# Altium PCB S7CAS-PLEIADES-CARTE-MERE_Pxx.PcbDoc (part 1 of 8) (continued)
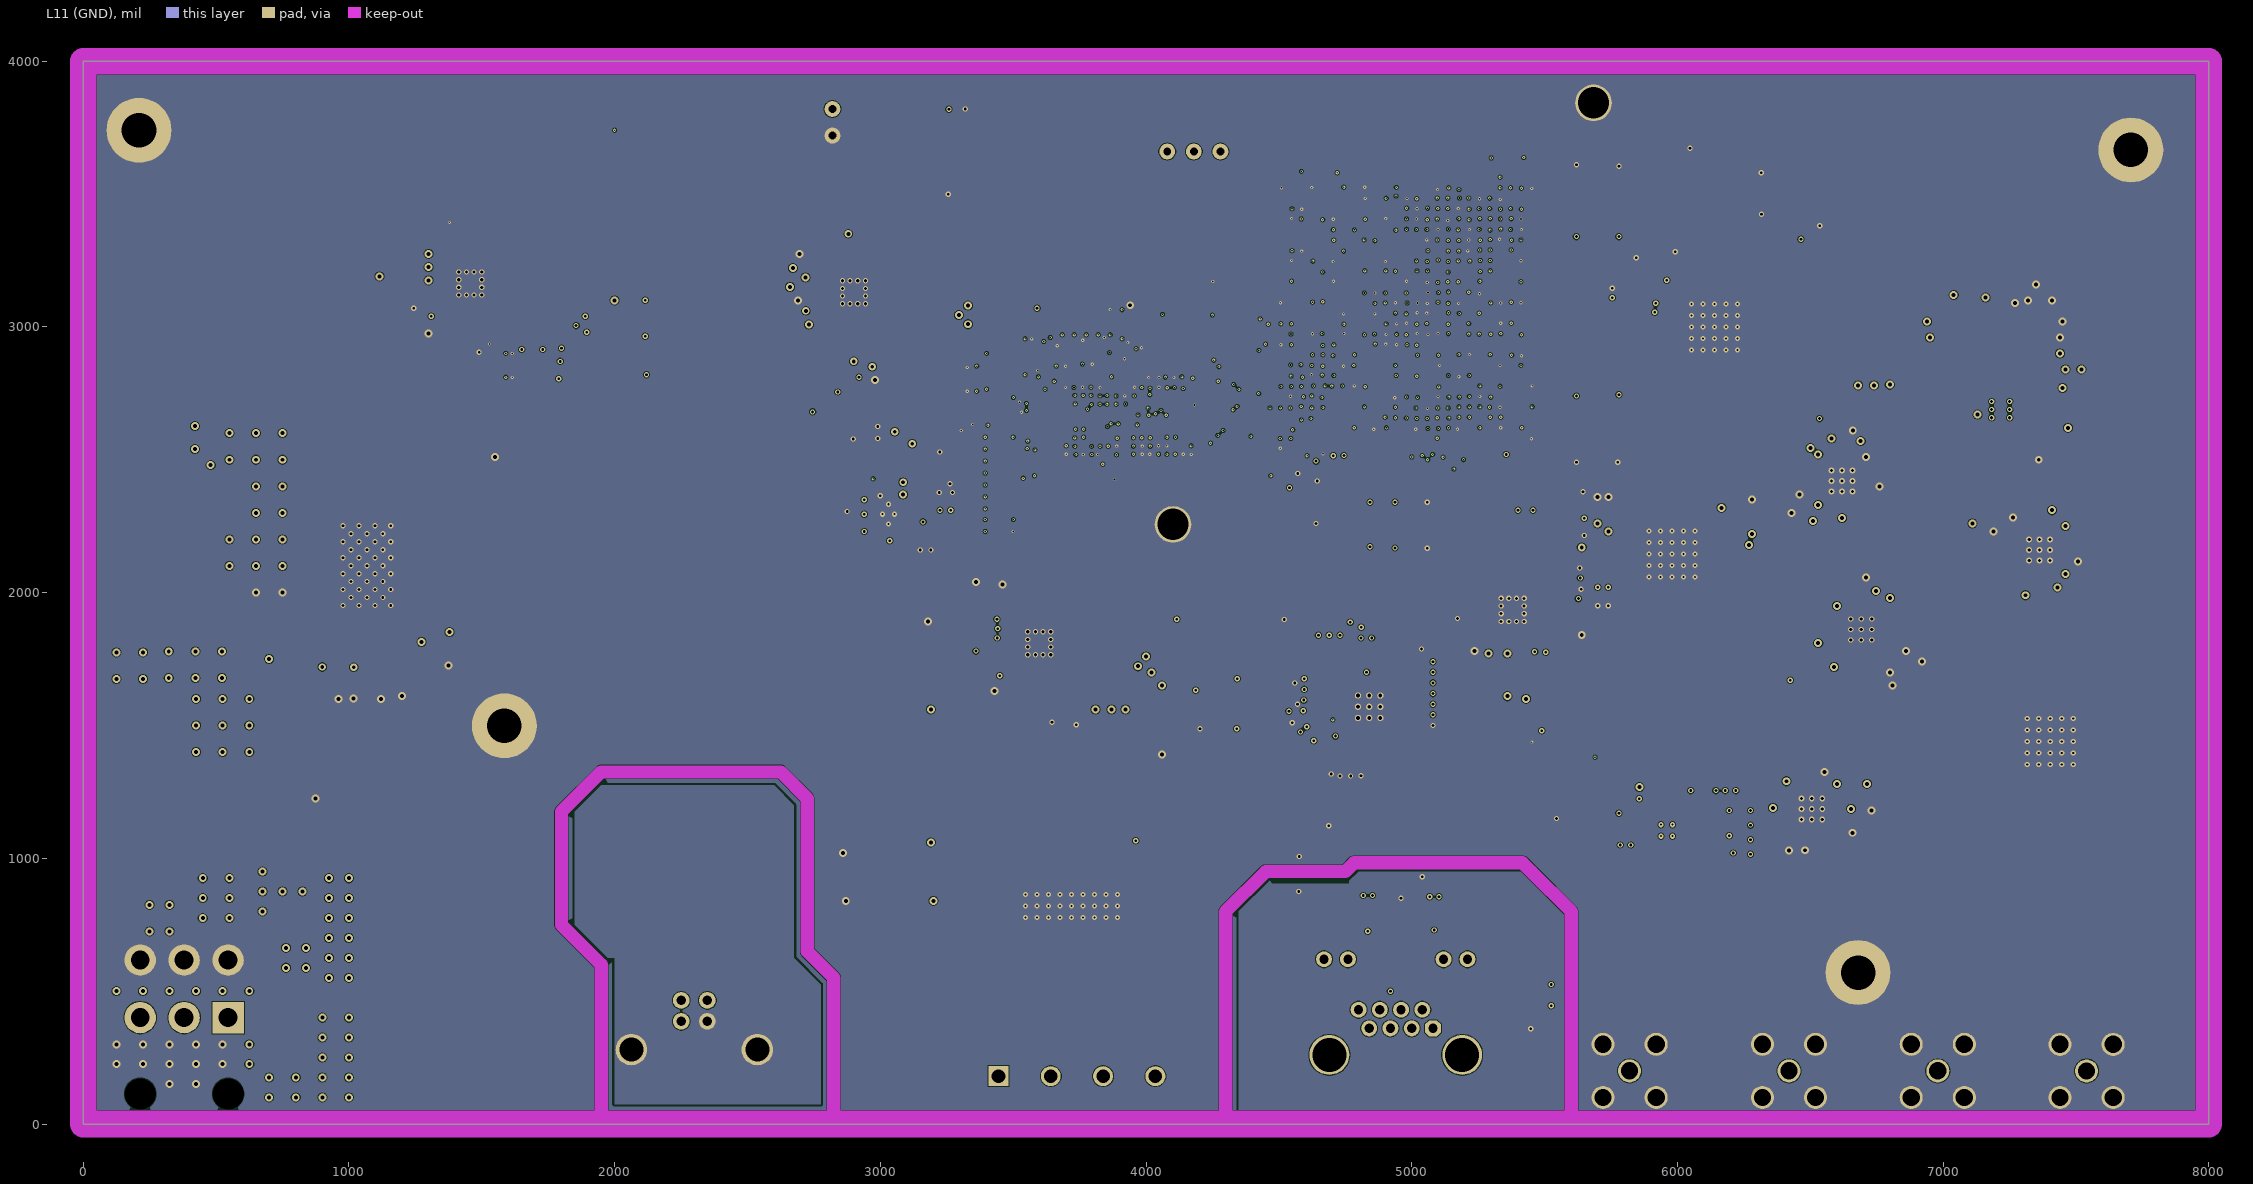
[diagram p10: L11 (GND)]
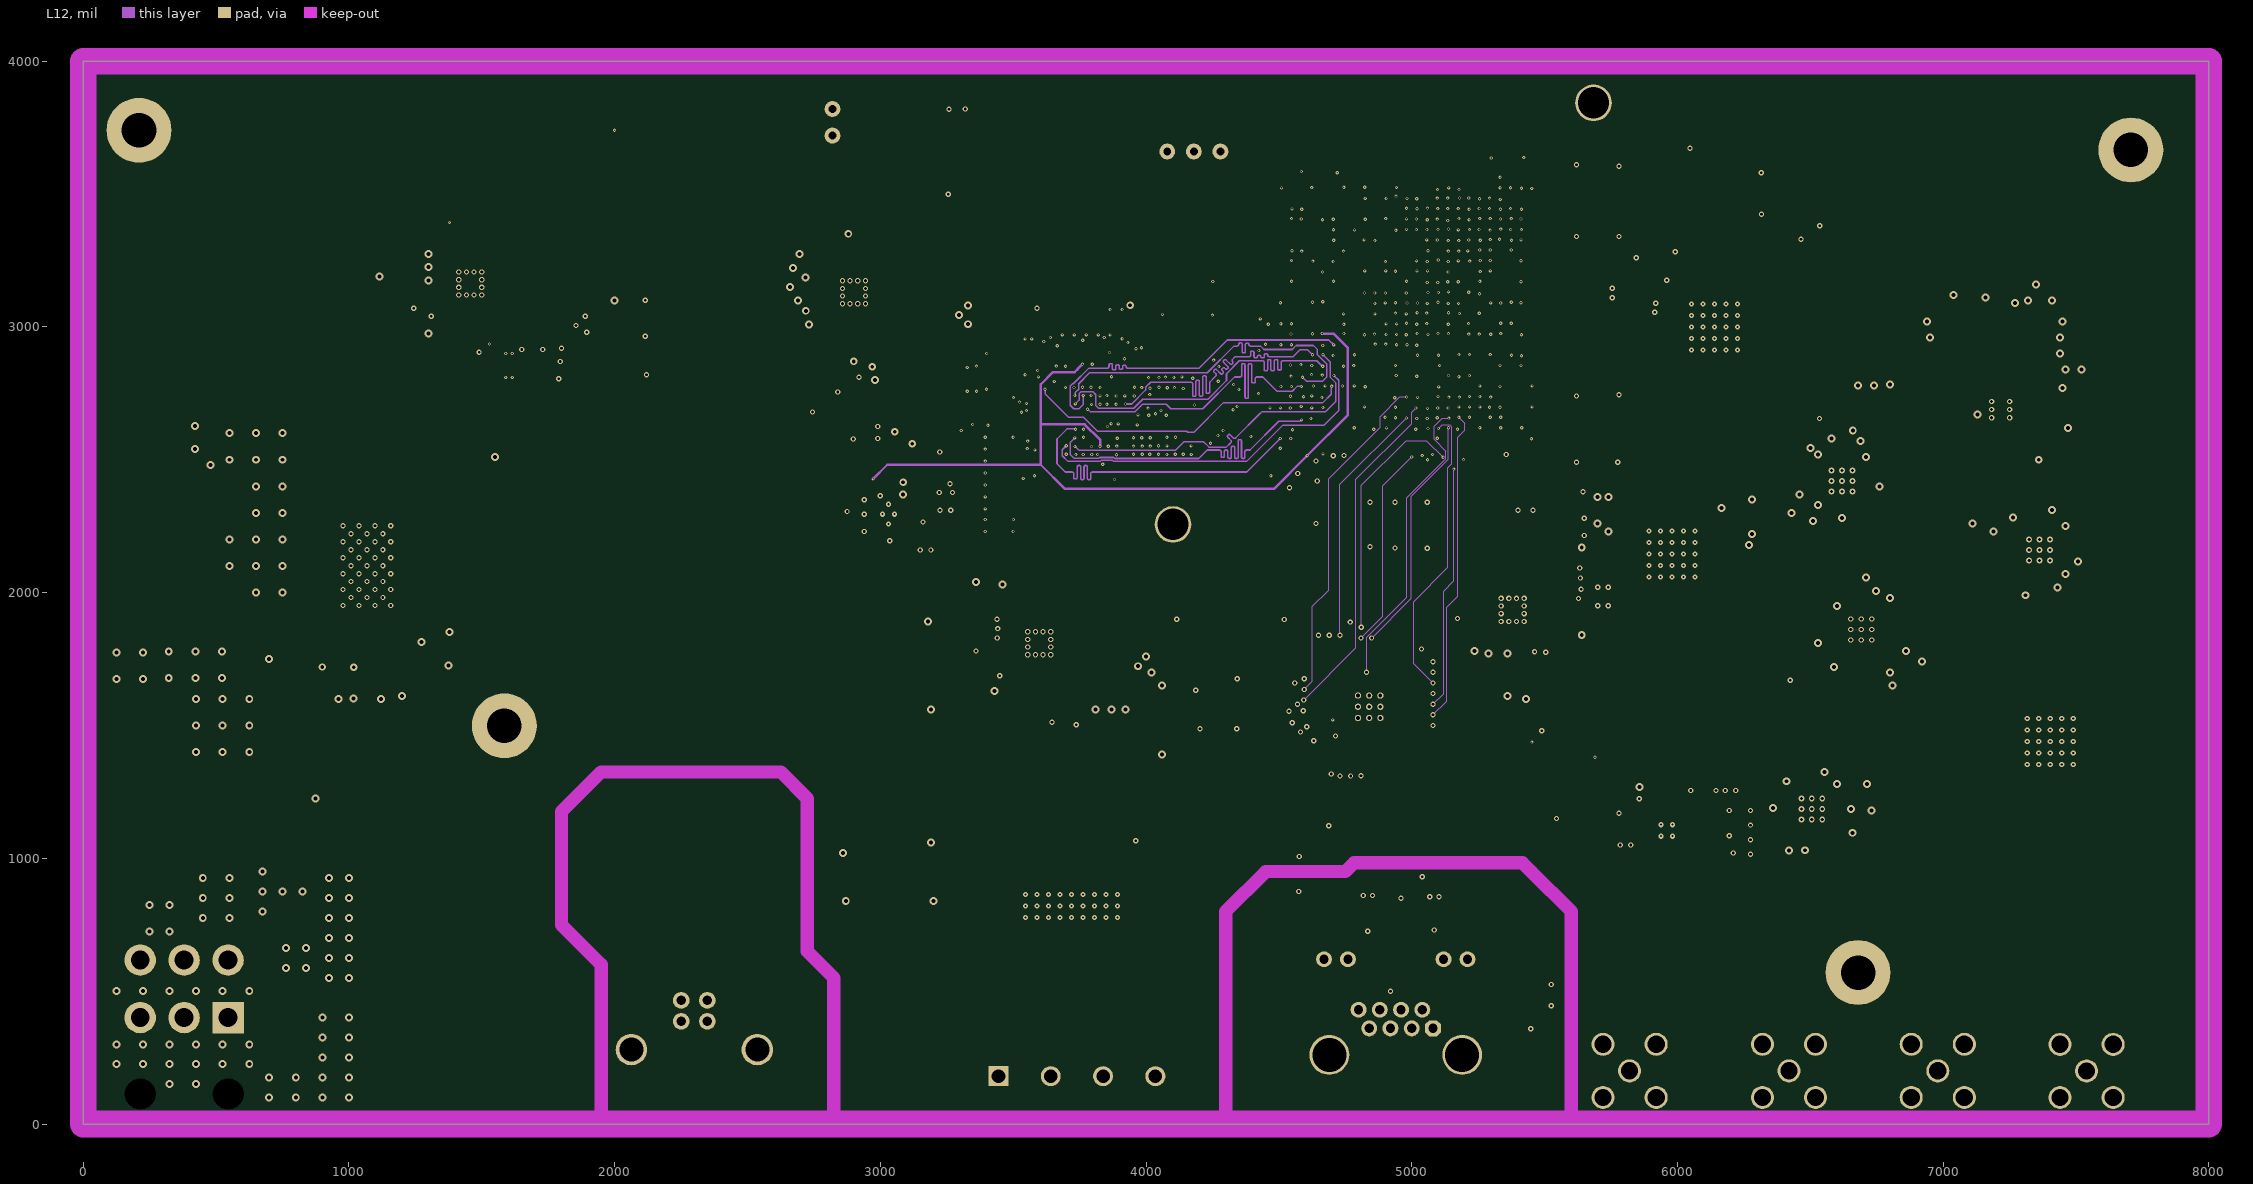
[diagram p11: L12]
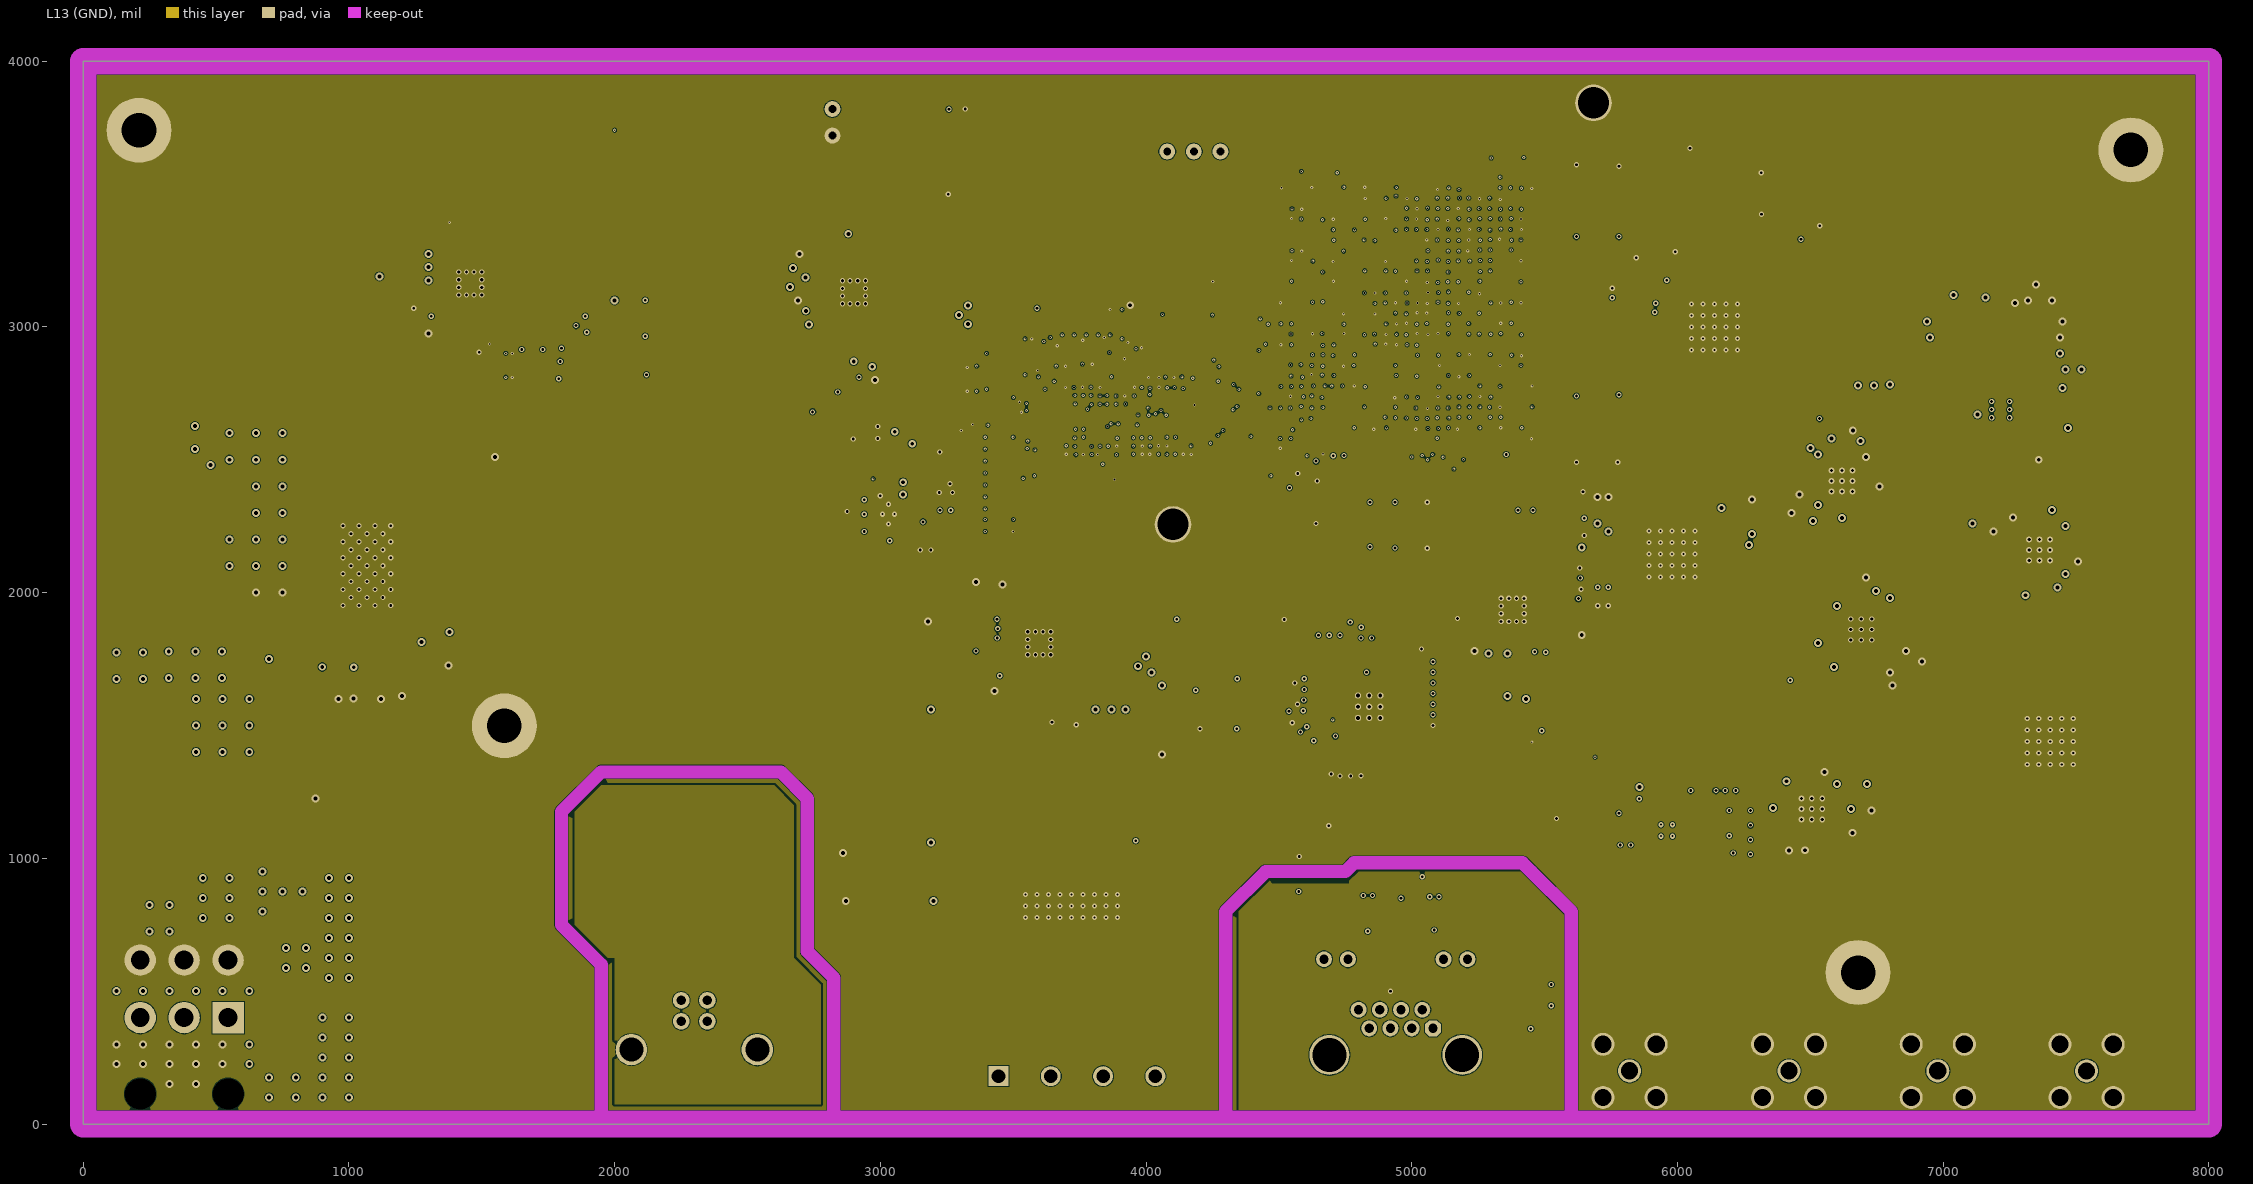
[diagram p12: L13 (GND)]

## Layer stack, top to bottom
Top Solder: solder mask 0.4, Solder Resist, Dk 3.5
L1: signal copper 0.709
Dielectric 2: prepreg 3.543, PP-006, Dk 4.1
L2 (GND): signal copper 0.709
Dielectric 1: core 7.874, Core-025, Dk 4.6
L3: signal copper 0.709
Dielectric 3: prepreg 3.543, PP-006, Dk 4.1
L4 (GND): signal copper 0.709
Dielectric 4: core 7.874, Core-025, Dk 4.6
L5: signal copper 0.709
Dielectric 5: prepreg 3.543, PP-006, Dk 4.1
L6 (GND): signal copper 0.709
Dielectric 6: core 7.874, Core-025, Dk 4.6
L7 (PWR): signal copper 0.709
Dielectric 7: prepreg 3.543, PP-006, Dk 4.1
L8 (GND): signal copper 0.709
Dielectric 8: core 7.874, Core-025, Dk 4.6
L9 (PWR): signal copper 0.709
Dielectric 9: prepreg 3.543, PP-006, Dk 4.1
L10 (GND): signal copper 0.709
Dielectric 10: core 7.874, Core-025, Dk 4.6
L11 (GND): signal copper 0.709
Dielectric 11: prepreg 3.543, PP-006, Dk 4.1
L12: signal copper 0.709
Dielectric 12: core 7.874, Core-025, Dk 4.6
L13 (GND): signal copper 0.709
Dielectric 13: prepreg 3.543, PP-006, Dk 4.1
L14: signal copper 0.709
Bottom Solder: solder mask 0.4, Solder Resist, Dk 3.5

## Board outline
0,0 0,4000 8000,4000 8000,0

## Design rules (kind name [scope] priority, off if disabled: settings)
AcuteAngle "AcuteAngle - DEFAULT" [All] p1: minimum=6.00000000000000E+0001 checktracksonly=FALSE
Clearance Clearance_powers [InNetClass('POWER_NET')] p1: gap=3 ignorepadtopadclearanceinfootprint=TRUE except(10: Fill-Fill Fill-Poly Fill-Region Poly-Poly Poly-Region Region-Region)
Clearance [(InNetClass('DDR_40OHM') AND NOT InDifferentialPairClass('DDR_CK_PAIR'))] p2: gap=5.33 ignorepadtopadclearanceinfootprint=TRUE
Clearance "Clearance - VIA50OHM DIFF" [All] p3: gap=3 ignorepadtopadclearanceinfootprint=TRUE except(15: Via-Via)
Clearance "Clearance - FPGA" [InComponent('U1')] p4: gap=4 ignorepadtopadclearanceinfootprint=TRUE except(8: Arc-Via Track-Via SMDPad-Via THPad-Via Via-Via)
Clearance "Clearance - DEFAULT" [All] p5: gap=3 ignorepadtopadclearanceinfootprint=TRUE
ComponentClearance NETTIEONPAD [InComponent('U3') vs InComponentClass('NETTIE')] p1: gap=0 collisioncheckmode=3 verticalgap=100000 showdistances=FALSE donotcheckwithout3dbody=TRUE
DiffPairsRouting ETHERNET [InDifferentialPairClass('ETH75OHM')] p1: maxlimit=5 minlimit=5 mostfreqgap=5 toplayer_minwidth=8.55 toplayer_maxwidth=8.55 toplayer_prefwidth=8.55 midlayer1_minwidth=5.37 midlayer1_maxwidth=5.37 midlayer1_prefwidth=5.37 midlayer2_minwidth=5.44 midlayer2_maxwidth=5.44 midlayer2_prefwidth=5.44 midlayer3_minwidth=5.44 midlayer3_maxwidth=5.44 midlayer3_prefwidth=5.44 midlayer4_minwidth=5.44 midlayer4_maxwidth=5.44 midlayer4_prefwidth=5.44 midlayer5_minwidth=5.37 midlayer5_maxwidth=5.37 midlayer5_prefwidth=5.37 midlayer6_minwidth=5.37 midlayer6_maxwidth=5.37 midlayer6_prefwidth=5.37 midlayer7_minwidth=5.37 midlayer7_maxwidth=5.37 midlayer7_prefwidth=5.37 midlayer8_minwidth=5.37 midlayer8_maxwidth=5.37 midlayer8_prefwidth=5.37 midlayer9_minwidth=5.44 midlayer9_maxwidth=5.44 midlayer9_prefwidth=5.44 midlayer10_minwidth=5.37 midlayer10_maxwidth=5.37 midlayer10_prefwidth=5.37 midlayer11_minwidth=5.37 midlayer11_maxwidth=5.37 midlayer11_prefwidth=5.37 midlayer12_minwidth=5.44 midlayer12_maxwidth=5.44 midlayer12_prefwidth=5.44 bottomlayer_minwidth=8.62 bottomlayer_maxwidth=8.62 bottomlayer_prefwidth=8.62 impedanceprofiledriven=TRUE impedanceprofileid={8EF69D72-29FB-4203-9FE1-1968F302C12D} impedanceprofilevalue=75.000000 maxuncoupledlength=500
DiffPairsRouting RAM [InDifferentialPairClass('DDR_DIFF')] p2: maxlimit=5 minlimit=5 mostfreqgap=5 toplayer_minwidth=4.82 toplayer_maxwidth=4.82 toplayer_prefwidth=4.82 midlayer1_minwidth=2.6 midlayer1_maxwidth=2.6 midlayer1_prefwidth=2.6 midlayer2_minwidth=2.67 midlayer2_maxwidth=2.67 midlayer2_prefwidth=2.67 midlayer3_minwidth=2.67 midlayer3_maxwidth=2.67 midlayer3_prefwidth=2.67 midlayer4_minwidth=2.67 midlayer4_maxwidth=2.67 midlayer4_prefwidth=2.67 midlayer5_minwidth=2.6 midlayer5_maxwidth=2.6 midlayer5_prefwidth=2.6 midlayer6_minwidth=2.6 midlayer6_maxwidth=2.6 midlayer6_prefwidth=2.6 midlayer7_minwidth=2.6 midlayer7_maxwidth=2.6 midlayer7_prefwidth=2.6 midlayer8_minwidth=2.6 midlayer8_maxwidth=2.6 midlayer8_prefwidth=2.6 midlayer9_minwidth=2.67 midlayer9_maxwidth=2.67 midlayer9_prefwidth=2.67 midlayer10_minwidth=2.6 midlayer10_maxwidth=2.6 midlayer10_prefwidth=2.6 midlayer11_minwidth=2.6 midlayer11_maxwidth=2.6 midlayer11_prefwidth=2.6 midlayer12_minwidth=2.67 midlayer12_maxwidth=2.67 midlayer12_prefwidth=2.67 bottomlayer_minwidth=4.85 bottomlayer_maxwidth=4.85 bottomlayer_prefwidth=4.85 impedanceprofiledriven=TRUE impedanceprofileid={6C5FEB14-1516-478C-989F-2A6C260D6267} impedanceprofilevalue=80.000000 maxuncoupledlength=500
DiffPairsRouting LVDS [(InDifferentialPairClass('100OHMDIFF') OR InDifferentialPairClass('LVDS'))] p3: maxlimit=5 minlimit=5 mostfreqgap=5 toplayer_minwidth=4.82 toplayer_maxwidth=4.82 toplayer_prefwidth=4.82 midlayer1_minwidth=2.6 midlayer1_maxwidth=2.6 midlayer1_prefwidth=2.6 midlayer2_minwidth=2.67 midlayer2_maxwidth=2.67 midlayer2_prefwidth=2.67 midlayer3_minwidth=2.67 midlayer3_maxwidth=2.67 midlayer3_prefwidth=2.67 midlayer4_minwidth=2.67 midlayer4_maxwidth=2.67 midlayer4_prefwidth=2.67 midlayer5_minwidth=2.6 midlayer5_maxwidth=2.6 midlayer5_prefwidth=2.6 midlayer6_minwidth=2.6 midlayer6_maxwidth=2.6 midlayer6_prefwidth=2.6 midlayer7_minwidth=2.6 midlayer7_maxwidth=2.6 midlayer7_prefwidth=2.6 midlayer8_minwidth=2.6 midlayer8_maxwidth=2.6 midlayer8_prefwidth=2.6 midlayer9_minwidth=2.67 midlayer9_maxwidth=2.67 midlayer9_prefwidth=2.67 midlayer10_minwidth=2.6 midlayer10_maxwidth=2.6 midlayer10_prefwidth=2.6 midlayer11_minwidth=2.6 midlayer11_maxwidth=2.6 midlayer11_prefwidth=2.6 midlayer12_minwidth=2.67 midlayer12_maxwidth=2.67 midlayer12_prefwidth=2.67 bottomlayer_minwidth=4.85 bottomlayer_maxwidth=4.85 bottomlayer_prefwidth=4.85 impedanceprofiledriven=TRUE impedanceprofileid={0EAFC8C6-615A-4D83-B2D2-67CEBE08E7EB} impedanceprofilevalue=100.000000 maxuncoupledlength=100
DiffPairsRouting DEFAULT [All] p4: maxlimit=5 minlimit=5 mostfreqgap=5 toplayer_minwidth=4.82 toplayer_maxwidth=4.82 toplayer_prefwidth=4.82 midlayer1_minwidth=2.6 midlayer1_maxwidth=2.6 midlayer1_prefwidth=2.6 midlayer2_minwidth=2.67 midlayer2_maxwidth=2.67 midlayer2_prefwidth=2.67 midlayer3_minwidth=2.67 midlayer3_maxwidth=2.67 midlayer3_prefwidth=2.67 midlayer4_minwidth=2.67 midlayer4_maxwidth=2.67 midlayer4_prefwidth=2.67 midlayer5_minwidth=2.6 midlayer5_maxwidth=2.6 midlayer5_prefwidth=2.6 midlayer6_minwidth=2.6 midlayer6_maxwidth=2.6 midlayer6_prefwidth=2.6 midlayer7_minwidth=2.6 midlayer7_maxwidth=2.6 midlayer7_prefwidth=2.6 midlayer8_minwidth=2.6 midlayer8_maxwidth=2.6 midlayer8_prefwidth=2.6 midlayer9_minwidth=2.67 midlayer9_maxwidth=2.67 midlayer9_prefwidth=2.67 midlayer10_minwidth=2.6 midlayer10_maxwidth=2.6 midlayer10_prefwidth=2.6 midlayer11_minwidth=2.6 midlayer11_maxwidth=2.6 midlayer11_prefwidth=2.6 midlayer12_minwidth=2.67 midlayer12_maxwidth=2.67 midlayer12_prefwidth=2.67 bottomlayer_minwidth=4.85 bottomlayer_maxwidth=4.85 bottomlayer_prefwidth=4.85 impedanceprofiledriven=TRUE impedanceprofileid={0EAFC8C6-615A-4D83-B2D2-67CEBE08E7EB} impedanceprofilevalue=100.000000 maxuncoupledlength=100
HoleSize "HoleSize - DEFAULT" [All] p1: absolutevalues=TRUE maxlimit=1000 minlimit=6 maxpercent=80.000 minpercent=20.000
HoleToHoleClearance [All] p1: gap=10 allowstackedmicrovias=FALSE
LayerPairs [All] p1 off: enforce=FALSE
Length "Length - DDR CLK MAIN" [InxSignalClass('DDR_MAIN_CLOCK_xSIGNAL')] p1: maxlimit=1560 minlimit=1550
Length "Length - DQL" [(InNetClass('DDR_DQL') OR InDifferentialPairClass('DQL_CLK_DIFF_PAIR'))] p2: maxlimit=1135 minlimit=1125
Length "Length - DQH" [(InNetClass('DDR_DQH') OR InDifferentialPairClass('DQH_CLK_DIFF_PAIR'))] p3: maxlimit=1350 minlimit=1340
Length "Length - ADDR" [InxSignalClass('DDR_ADDR_xSIGNAL')] p4: maxlimit=1525 minlimit=1495
MatchedLengths "DDR CLK" [InDifferentialPairClass('DDR_CK_PAIR')] p1: tolerance=25 checknetsindiffpair=TRUE checkdiffpairvsdiffpair=FALSE checkxsignals=FALSE checkothers=FALSE
MatchedLengths DQS [InDifferentialPairClass('DQS_DIFF_PAIR')] p2: tolerance=25 checknetsindiffpair=TRUE checkdiffpairvsdiffpair=FALSE checkxsignals=FALSE checkothers=FALSE
MinimumAnnularRing "MinimumAnnularRing - DEFAULT" [All] p1: minimumring=3
MinimumSolderMaskSliver "MinimumSolderMaskBridge - DEFAULT" [All] p1: minsoldermaskwidth=3
PasteMaskExpansion "PasteMaskExpansion -DEFAULT" [All] p1: expansion=0
PlaneClearance [All] p1: clearance=6
PlaneConnect [All] p1: pad.planeconnectstyle=Relief pad.reliefexpansion=20 pad.reliefentries=4 pad.reliefconductorwidth=10 pad.reliefairgap=10 via.planeconnectstyle=Direct via.reliefexpansion=20 via.reliefentries=4 via.reliefconductorwidth=10 via.reliefairgap=10
PolygonConnect "Thermal relief - 24V" [(InNetClass('MOT_POW') OR InNetClass('HEAVY_POWER'))] p1: thpad.connectstyle=Relief thpad.reliefconductorwidth=20 thpad.reliefentries=4 thpad.polygonreliefangle="45 Angle" thpad.airgapwidth=10 smdpad.connectstyle=Relief smdpad.reliefconductorwidth=10 smdpad.reliefentries=4 smdpad.polygonreliefangle="90 Angle" smdpad.airgapwidth=10 via.connectstyle=Direct via.reliefconductorwidth=10 via.reliefentries=4 via.polygonreliefangle="90 Angle" via.airgapwidth=10
PolygonConnect "Thermal relief - POWER" [InNetClass('POWER_CLASS')] p2: thpad.connectstyle=Relief thpad.reliefconductorwidth=15 thpad.reliefentries=4 thpad.polygonreliefangle="45 Angle" thpad.airgapwidth=10 smdpad.connectstyle=Direct smdpad.reliefconductorwidth=10 smdpad.reliefentries=4 smdpad.polygonreliefangle="90 Angle" smdpad.airgapwidth=10 via.connectstyle=Direct via.reliefconductorwidth=10 via.reliefentries=4 via.polygonreliefangle="90 Angle" via.airgapwidth=10
PolygonConnect "Thermal relief - DEFAULT" [All] p3: connectstyle=Direct reliefconductorwidth=10 reliefentries=4 polygonreliefangle="90 Angle" airgapwidth=10
RoomDefinition DNF_CLASS_COMPONENT [InComponentClass('DNF_CLASS_COMPONENT')] p1: confinementstyle=ConfineIn formatcopy=TRUE lockcomponents=FALSE outline 8050,510 24060,510 24060,1460 8050,1460
RoutingLayers "RoutingLayers - AUTOROUTE" [All] p1: top layer_v5=TRUE mid layer 1_v5=TRUE mid layer 2_v5=TRUE mid layer 3_v5=TRUE mid layer 4_v5=TRUE mid layer 5_v5=TRUE mid layer 6_v5=TRUE mid layer 7_v5=TRUE mid layer 8_v5=TRUE mid layer 9_v5=TRUE mid layer 10_v5=TRUE mid layer 11_v5=TRUE mid layer 12_v5=TRUE bottom layer_v5=TRUE
RoutingPriority "RoutingPriority - AUTOROUTE" [All] p1: routingpriority=0
RoutingVias "Vias - Power" [InNetClass('POWER_NET')] p1: holewidth=10 width=20 viastyle="Through Hole" minholewidth=6 minwidth=12 maxholewidth=28 maxwidth=50
RoutingVias "Vias - 50OHM" [(InDifferentialPairClass('100OHMDIFF') OR InDifferentialPairClass('DDR_DIFF') OR InNetClass('50OHM') OR InNetClass('DDR_40OHM') OR InDifferentialPairClass('LVDS'))] p2: holewidth=6 width=12 viastyle="Through Hole" minholewidth=6 minwidth=12 maxholewidth=6 maxwidth=12
RoutingVias "Vias - DEFAULTS" [All] p3: holewidth=6 width=15 viastyle="Through Hole" minholewidth=6 minwidth=12 maxholewidth=14 maxwidth=28
SilkToSilkClearance [All] p1: silktosilkclearance=4
SilkToSolderMaskClearance [IsPad] p1: minsilkscreentomaskgap=2 clearancetoexposedcopper=FALSE
SolderMaskExpansion "SolderMaskExpansion - TENTED VIAS" [IsVia] p1: expansion=4 istentingtop=TRUE
SolderMaskExpansion "SolderMaskExpansion - DEFAULT" [All] p2: expansion=2.5 istentingtop=FALSE
Width "Width - MOTEUR" [InNetClass('MOT_POW')] p1: maxlimit=60 minlimit=20 preferedwidth=50
Width "Width - ETHERNET" [InNetClass('75OHM')] p2: maxlimit=6.36 minlimit=3.64 preferedwidth=3.64 toplayer_minwidth=6.36 toplayer_prefwidth=6.36 midlayer1_maxwidth=3.64 midlayer2_minwidth=3.68 midlayer2_maxwidth=3.68 midlayer2_prefwidth=3.68 midlayer3_minwidth=3.68 midlayer3_maxwidth=3.68 midlayer3_prefwidth=3.68 midlayer4_minwidth=3.68 midlayer4_maxwidth=3.68 midlayer4_prefwidth=3.68 midlayer5_maxwidth=3.64 midlayer6_maxwidth=3.64 midlayer7_maxwidth=3.64 midlayer8_maxwidth=3.64 midlayer9_minwidth=3.68 midlayer9_maxwidth=3.68 midlayer9_prefwidth=3.68 midlayer10_maxwidth=3.64 midlayer11_maxwidth=3.64 midlayer12_minwidth=3.68 midlayer12_maxwidth=3.68 midlayer12_prefwidth=3.68 bottomlayer_minwidth=6.36 bottomlayer_prefwidth=6.36 impedanceprofiledriven=TRUE impedanceprofileid={E1A046A1-F631-49C0-A402-57ACD037E789} impedanceprofilevalue=50.000000 minimp=50.000000 maximp=50.000000 favimp=50.000000
Width "Width - 24V MAIN" [InNetClass('HEAVY_POWER')] p3: maxlimit=200 minlimit=20 preferedwidth=140 checkconnectedcopper=TRUE
Width POWER_WIDTH [InNetClass('POWER_NET')] p4: maxlimit=40 minlimit=9 preferedwidth=10
Width DDR_SINGLE_ENDED [InNetClass('DDR_40OHM')] p5: maxlimit=9.39 minlimit=5.82 preferedwidth=5.82 toplayer_minwidth=9.39 toplayer_prefwidth=9.39 midlayer1_maxwidth=5.82 midlayer2_minwidth=5.86 midlayer2_maxwidth=5.86 midlayer2_prefwidth=5.86 midlayer3_minwidth=5.86 midlayer3_maxwidth=5.86 midlayer3_prefwidth=5.86 midlayer4_minwidth=5.86 midlayer4_maxwidth=5.86 midlayer4_prefwidth=5.86 midlayer5_maxwidth=5.82 midlayer6_maxwidth=5.82 midlayer7_maxwidth=5.82 midlayer8_maxwidth=5.82 midlayer9_minwidth=5.86 midlayer9_maxwidth=5.86 midlayer9_prefwidth=5.86 midlayer10_maxwidth=5.82 midlayer11_maxwidth=5.82 midlayer12_minwidth=5.86 midlayer12_maxwidth=5.86 midlayer12_prefwidth=5.86 bottomlayer_minwidth=9.36 bottomlayer_maxwidth=9.36 bottomlayer_prefwidth=9.36 impedanceprofiledriven=TRUE impedanceprofileid={13B49ED6-BF4C-4E41-A40B-D61AD842102F} impedanceprofilevalue=40.000000 minimp=50.000000 maximp=50.000000 favimp=50.000000
Width "Width - DEFAULT" [All] p6: maxlimit=10 minlimit=4 preferedwidth=10 checkconnectedcopper=TRUE
17 further rules are at their usual default settings.
